# Altium PCB 1166V30.PcbDoc (part 3 of 6)
Units mil, origin at the board's own origin, x right, y up, seen from the top; angles counter-clockwise.
Board outline 6140.98 x 3937.01 mil, 8 copper layers (Top Layer, Layer 1, Layer 2, Layer 3, Layer 4, Layer 5, Layer 6, Bottom Layer), stack 63.002 mil thick; 581 components, 327 nets, 2120 pads, 1524 vias.
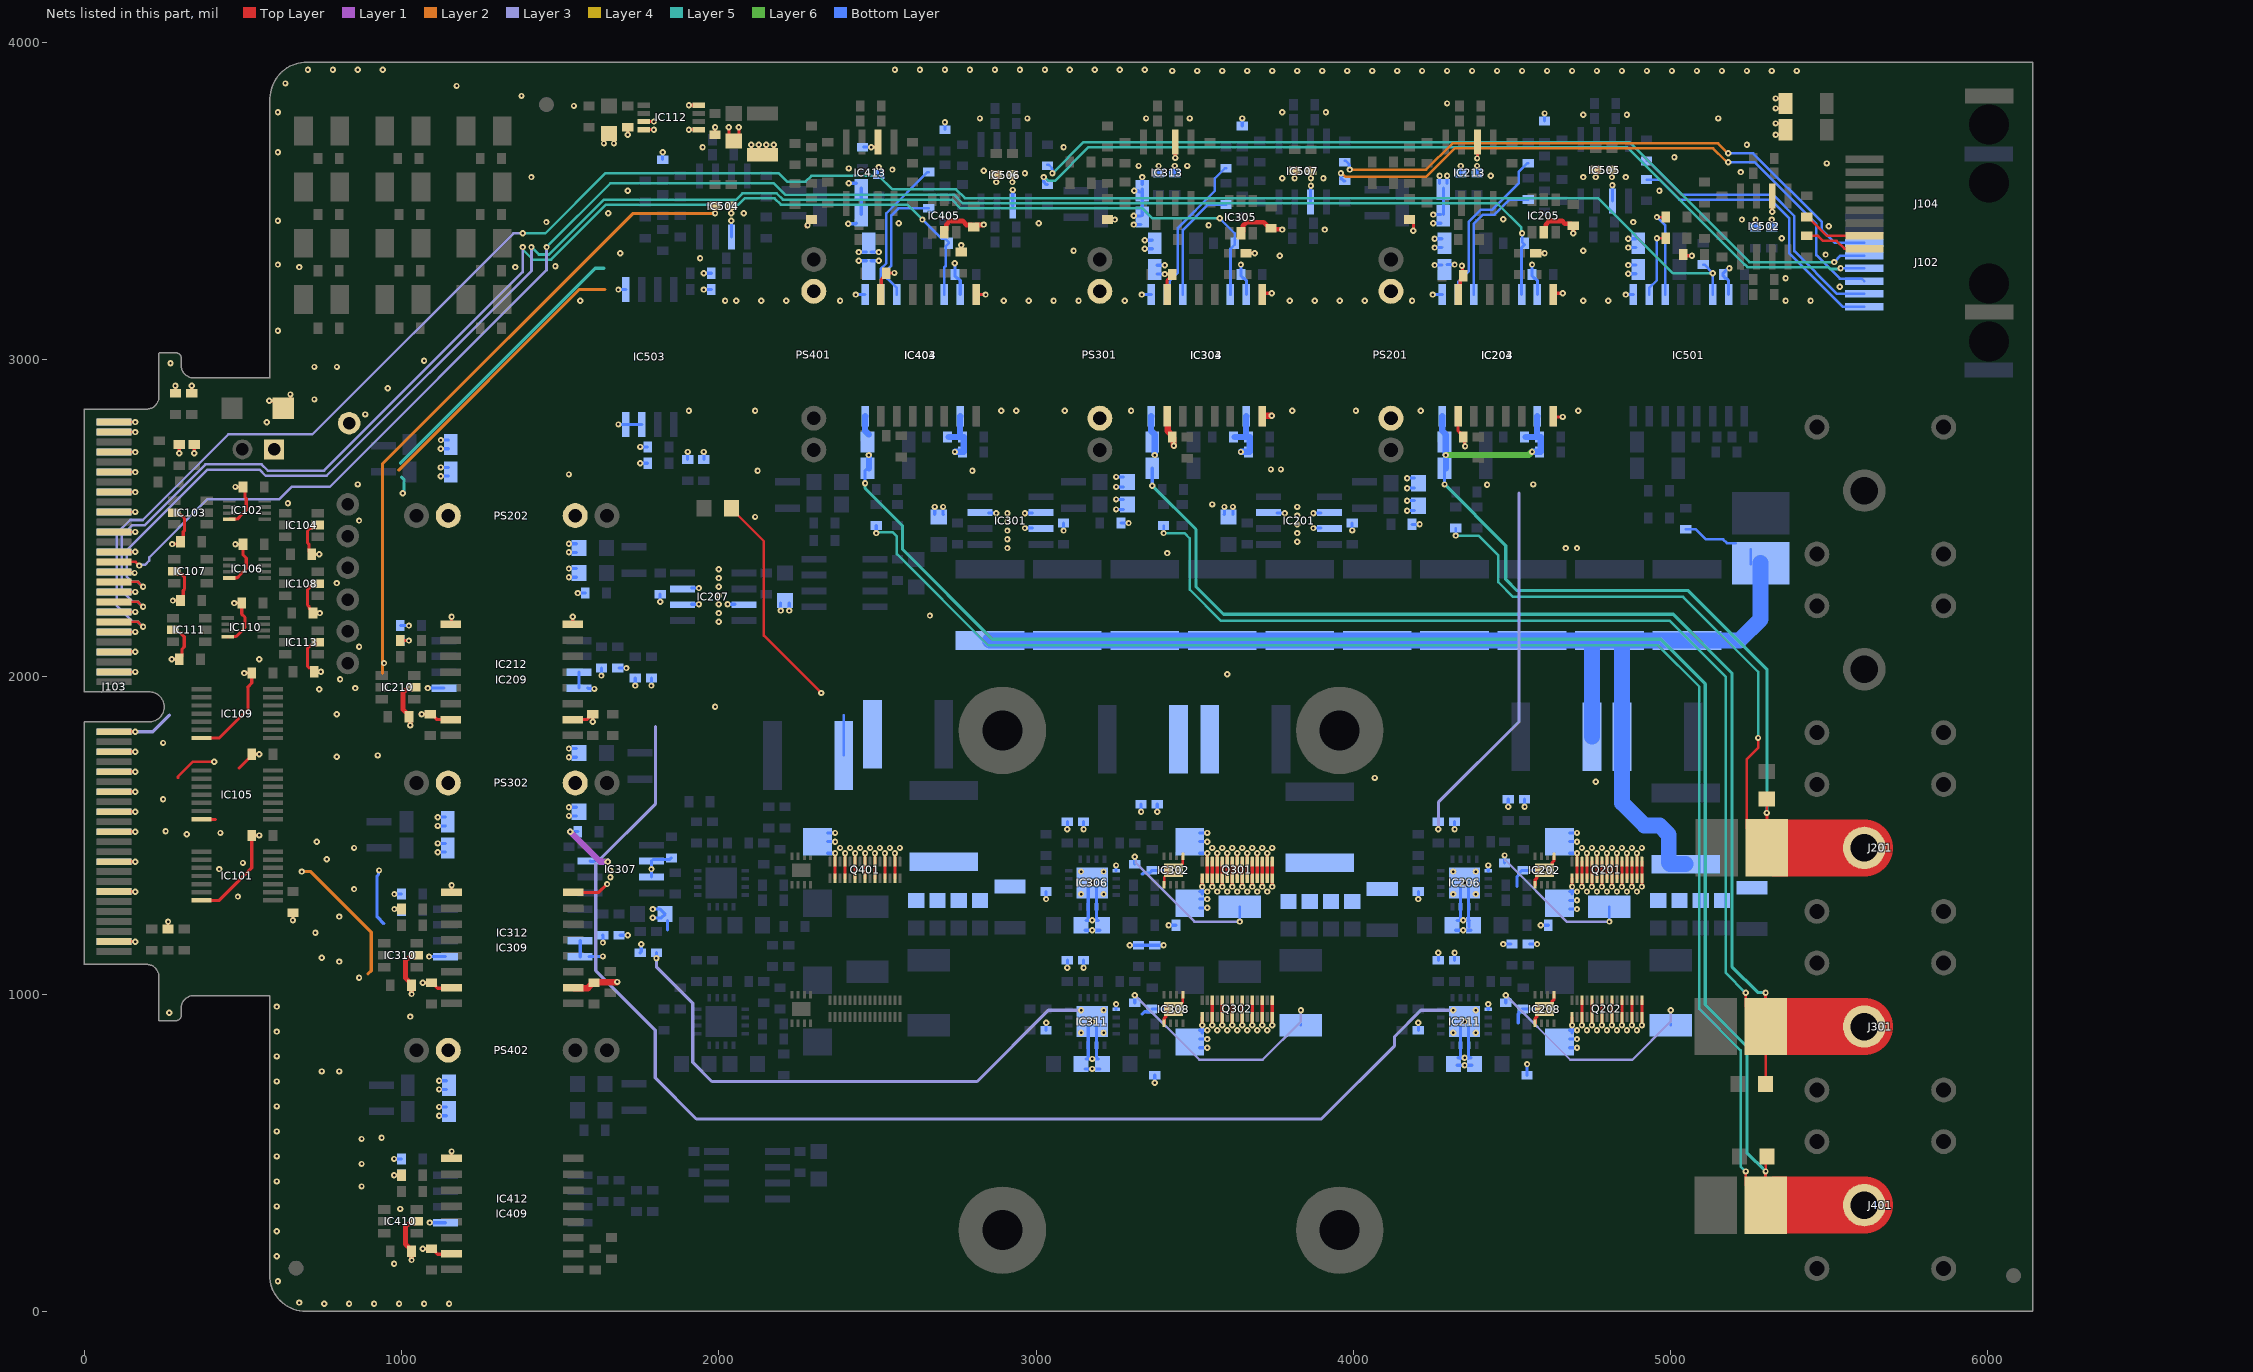
[diagram p9: the nets of this part, all layers, seen from the top]

## Via types
v1: diameter 19.68, hole 7.87, Top Layer to Bottom Layer, 1524 vias

## Nets (pads, with @x,y where several pads share a name; then routed paths per layer and width w, separated by ;. In a path a pad name is that pad's centre, name@x,y a point inside that pad or via, vN(x,y) a via of type N, cw(c..) or ccw(c..) an arc to the next point about the centre after c; other vN are vias at no path point) (continued)
GND: C101.1 C102.1 C103.1 C104.1 C105.1 C106.1 C107.1 C108.1 C109.1 C206.1 C207.1 C212.1 C213.2 C214.2 C218.1 C226.1 C227.1 C235.1 C241.1 C306.1 C307.1 C312.1 C313.2 C314.2 C318.1 C326.1 C327.1 C335.1 C341.1 C406.1 C407.1 C412.1 C413.2 C414.2 C418.1 C426.1 C427.1 C435.1 C441.1 C502.1 C505.2 C506.2 C507.1 C519.1 C532.1 C536.1 C541.1 CF101.1 CF102.1 CF103.1 CF104.2 CF105.2 CF106.2 CF107.2 CF108.2 CF109.2 CF110.2 CF111.2 CF112.2 CF204.2 CF206.2 CF210.2 CF212.2 CF213.2 CF214.2 CF215.2 CF216.2 CF304.2 CF306.2 CF310.2 CF312.2 CF313.2 CF314.2 CF315.2 CF316.2 CF404.2 CF406.2 CF410.2 CF412.2 CF413.2 CF414.2 CF415.2 CF416.2 CF501.2 CF502.2 CF503.2 CF504.2 CF507.2 CF508.2 CF509.2 CF510.2 CF511.2 CF512.2 CF513.2 CF514.2 CX101.2 D101.1 IC101.7 IC102.4 IC103.2 IC104.2 IC105.7 IC106.4 IC107.2 IC108.2 IC109.7 IC110.4 IC111.2 IC112.3 IC112.4 IC112.5 IC112.8 IC113.2 IC203.9 IC203.15 IC204.9 IC204.15 IC205.2 IC209.9 IC209.15 IC210.2 IC212.5 IC213.6 IC303.9 IC303.15 IC304.9 IC304.15 IC305.2 IC309.9 IC309.15 IC310.2 IC312.5 IC313.6 IC403.9 IC403.15 IC404.9 IC404.15 IC405.2 IC409.9 IC409.15 IC410.2 IC412.5 IC413.6 IC501.9 IC501.15 IC502.6 IC503.5 IC504.6 IC505.6 IC506.6 IC507.6 J101.1 J103.1 J103.2 J103.3 J103.4 J103.7 J103.8 J103.11 J103.12 J103.15 J103.16 J103.19 J103.20 J103.23 J103.24 J103.27 J103.28 J103.31 J103.32 J103.35 J103.36 J103.39 J103.40 J103.43 J103.44 J103.47 J103.48 J103.51 J103.52 J103.55 J103.56 J103.59 J103.60 J103.63 J103.64 J103.67 J103.68 J103.71 J103.72 J103.75 J103.76 J103.81 J103.82 J103.87 J103.88 J103.97 J103.98 PS201.2 PS202.2 PS301.2 PS302.2 PS401.2 PS402.2 R101.2 R102.1 RX101.2 TP107.1 | length 15419.6
  Top Layer w8: 295.28,1681.1 295.28,1685.28 342.28,1732.28 v1(409.45,1732.28)
  Top Layer w10: J103.97@93.96,1165.18 94.04,1165.09 160.27,1165.09 v1(160.35,1165) ; J103.87@93.96,1322.66 94.04,1322.57 160.27,1322.57 v1(160.35,1322.48) ; J103.81@93.96,1417.15 94.04,1417.06 160.27,1417.06 v1(160.35,1416.97) ; J103.75@93.96,1511.63 94.04,1511.55 160.27,1511.55 v1(160.35,1511.46) ; J103.71@93.96,1574.63 94.04,1574.54 160.27,1574.54 v1(160.35,1574.45) ; J103.67@93.96,1637.62 94.04,1637.53 160.27,1637.53 v1(160.35,1637.44) ; J103.63@93.96,1700.61 94.04,1700.52 160.27,1700.52 v1(160.35,1700.43) ; J103.59@93.96,1763.6 94.04,1763.52 160.27,1763.52 v1(160.35,1763.43) ; J103.55@93.96,1826.6 94.04,1826.51 160.27,1826.51 v1(160.35,1826.42) ; J103.47@93.96,2078.56 160.18,2078.56 v1(160.27,2078.48) ; J103.43@93.96,2141.56 160.18,2141.56 v1(160.27,2141.47) ; J103.35@93.96,2267.54 160.18,2267.54 v1(160.27,2267.45) ; J103.27@93.96,2393.52 94.05,2393.62 160.12,2393.62 v1(160.21,2393.72) ; J103.7@93.96,2708.48 160.18,2708.48 v1(160.27,2708.4) ; J103.1@93.96,2802.97 94.04,2802.89 160.27,2802.89 v1(160.35,2802.8) ; J103.51@94.04,2015.48 160.27,2015.48 v1(160.35,2015.4) ; J103.39@94.04,2204.46 160.27,2204.46 v1(160.35,2204.37) ; J103.31@94.04,2330.44 95.67,2328.82 156.55,2328.82 v1(158.26,2327.1) ; J103.19@94.04,2519.42 160.27,2519.42 v1(160.35,2519.33) ; J103.15@94.04,2582.41 160.27,2582.41 v1(160.35,2582.32) ; J103.11@94.04,2645.4 160.27,2645.4 v1(160.35,2645.32) ; J103.3@94.04,2771.39 160.27,2771.39 v1(160.35,2771.3) ; J103.23@94.07,2456.4 160.29,2456.4 v1(160.41,2456.29) ; R102.1@263.78,1204.72 v1(263.78,1228.35) ; v1(275.59,2055.12) CF110.2@299.21,2055.12 307.99,2063.9 307.99,2087.12 314.96,2094.09 314.96,2125.99 301.91,2139.04 288.03,2139.04 IC111.2@279.53,2147.54 ; v1(277.27,2418.1) CF112.2@298.56,2418.1 ; v1(279.53,2240.16) CF111.2@303.15,2240.16 311.93,2248.94 311.93,2272.16 315.96,2276.19 315.96,2313.96 305.85,2324.08 291.96,2324.08 IC107.2@283.46,2332.58 ; IC103.2@283.46,2517.62 291.96,2509.12 305.85,2509.12 315.96,2499 315.96,2461.23 311.93,2457.2 311.93,2433.98 CF112.2@303.15,2425.2 ; C106.1@287.4,2893.7 v1(287.4,2917.32) ; v1(299.21,2704.72) C109.1@299.21,2728.35 ; CF112.2@302.43,2421.98 CF112.2@303.15,2421.26 ; C107.1@338.58,2893.7 v1(338.58,2917.32) ; v1(346.46,2704.72) C108.1@346.46,2728.35 ; IC101.7@370.08,1295.27 425.2,1295.27 527.56,1397.64 CF103.1@527.56,1500 v1(551.18,1500) ; IC105.7@370.08,1550.24 413.38,1550.24 ; IC109.7@370.08,1807.09 425.2,1807.09 515.75,1897.64 515.75,1966.54 514.76,1967.52 527.56,1980.31 CF101.1@527.56,2011.81 v1(503.94,2011.81) ; IC110.4@452.76,2125.98 453.66,2126.89 478.39,2126.89 506.42,2154.91 506.42,2187.28 496.06,2197.64 CF107.2@496.06,2232.28 v1(472.44,2232.28) ; IC106.4@456.69,2311.02 457.6,2311.93 481.71,2311.93 492.13,2322.34 492.13,2322.83 500,2330.71 500.13,2330.71 510.36,2340.93 510.36,2374.25 500,2384.61 CF108.2@500,2417.32 v1(476.38,2417.32) ; IC102.4@456.69,2496.06 457.6,2496.97 481.71,2496.97 500,2515.26 500,2515.62 510.36,2525.97 510.36,2561.75 506.4,2565.71 506.4,2592.03 CF109.2@500,2598.43 v1(476.38,2598.43) ; 488.19,1712.6 527.56,1751.97 CF102.1@527.56,1755.91 v1(551.18,1755.91) ; v1(582.68,2869.72) 619.54,2869.72 D101.1@623.11,2866.14 ; D101.1@649.61,2849.33 v1(649.61,2889.76) ; v1(657.48,1232.28) R101.2@657.48,1255.91 ; 708.66,2027.56 703.36,2032.86 703.36,2089.55 713.47,2099.67 727.36,2099.67 IC113.2@735.86,2108.17 ; IC108.2@735.86,2293.21 727.36,2284.71 713.47,2284.71 703.36,2274.59 703.36,2225.78 708.66,2220.47 708.66,2216.54 720.47,2204.72 CF105.2@720.47,2200.79 v1(741.94,2200.79) ; IC104.2@735.86,2478.25 727.36,2469.75 713.47,2469.75 703.36,2459.63 703.36,2421.86 707.76,2417.47 707.76,2394.61 CF104.2@716.54,2385.83 v1(740.16,2385.83) ; v1(976.38,429.13) C435.1@1000,429.13 ; v1(977.61,1267.72) C335.1@1000,1267.72 ; C235.1@996.06,2114.17 v1(1022.99,2114.17) ; v1@1059.06,1881.89 v1(1062.99,1881.89) CF210.2@1090.55,1881.89 1094.49,1881.89 1110.24,1866.14 1111.42,1864.96 IC209.15@1155.51,1864.96 ; v1(1066.93,196.85) CF410.2@1094.49,196.85 1098.43,196.85 1107.2,188.07 1107.2,185.78 1113.06,179.92 IC409.15@1159.45,179.92 ; v1(1066.93,1035.43) CF310.2@1094.49,1035.43 1098.43,1035.43 1107.2,1026.65 1107.2,1024.36 1113.06,1018.5 IC309.15@1159.45,1018.5 ; IC209.9@1155.51,2164.96 1157.48,2166.93 v1(1157.48,2188.98) ; v1(1157.48,503.94) IC409.9@1157.48,481.89 IC409.9@1159.45,479.92 ; v1(1157.48,1342.52) IC309.9@1157.48,1320.47 IC309.9@1159.45,1318.5 ; v1(1637.8,3681.1) C101.1@1637.8,3704.72 ; v1(1669.29,3681.1) C101.1@1669.29,3704.72 ; v1(1712.6,3708.66) C102.1@1712.6,3732.28 ; IC112.4@1771.65,3724.41 v1(1795.28,3724.41) ; IC112.3@1771.65,3750 v1(1795.28,3750) ; v1(1905.51,3724.41) IC112.5@1929.13,3724.41 ; v1(1905.51,3800.99) 1905.61,3801.09 1929.04,3801.09 IC112.8@1929.13,3801.18 ; v1(1988.19,3460.63) CF507.2@1988.19,3484.25 ; C104.1@1988.19,3708.66 v1(1988.19,3732.28) ; C103.1@2031.5,3708.66 v1(2031.5,3732.28) ; v1(2039.37,3460.63) CF508.2@2039.37,3484.25 ; C103.1@2062.99,3708.66 v1(2062.99,3732.28) ; C105.1@2102.36,3653.54 v1(2102.36,3677.17) ; C105.1@2125.98,3653.54 v1(2125.98,3677.17) ; C105.1@2149.61,3653.54 v1(2149.61,3677.17) ; C105.1@2173.23,3653.54 v1(2173.23,3677.17) ; v1@2275.47,3419.17 2275.47,3421.79 2279.02,3425.34 2279.02,3432.17 2287.8,3440.94 C441.1@2291.73,3440.94 ; v1(2480.32,3669.29) 2495.75,3669.29 2501.57,3675.12 IC413.6@2501.57,3685.04 ; IC404.15@2511.02,3204.72 2511.81,3205.51 2511.81,3252.2 2518.54,3258.94 2518.78,3258.94 2527.56,3267.72 CF404.2@2527.56,3271.65 2528.64,3272.73 v1(2553.34,3272.73) ; v1@2743.54,3299.77 v1(2743.54,3303.1) ; C418.1@2763.78,3338.58 v1(2763.78,3360.49) ; IC404.9@2811.02,3204.72 v1(2840.68,3204.72) ; v1(2874.02,3559.06) CF511.2@2874.02,3582.68 ; v1(2925.2,3559.06) CF512.2@2925.2,3582.68 ; C341.1@3224.8,3440.94 v1(3248.43,3440.94) ; v1(3405.51,3269.29) 3427.56,3269.29 CF304.2@3429.13,3267.72 3429.13,3263.78 3420.35,3255 3418.46,3255 3412.6,3249.14 IC304.15@3412.6,3204.72 ; v1(3438.58,3635.43) IC313.6@3438.58,3685.04 ; C318.1@3661.42,3334.65 v1(3688.98,3334.65) ; IC304.9@3712.6,3204.72 3716.54,3208.66 v1(3742.25,3208.66) ; v1(3814.56,3571.27) 3814.56,3594.08 CF513.2@3814.96,3594.49 ; v1(3866.14,3570.87) CF514.2@3866.14,3594.49 ; v1(4188.98,3405.51) C241.1@4188.98,3429.13 ; IC204.15@4329.92,3204.72 4336.73,3211.54 4336.73,3250.12 4343.93,3257.32 4343.93,3293.42 v1(4342.08,3295.28) ; v1(4389.76,3633.86) 4390.94,3635.04 IC213.6@4390.94,3685.04 ; C218.1@4574.8,3334.65 v1(4602.36,3334.65) ; IC204.9@4629.92,3204.72 4633.86,3208.66 v1(4659.57,3208.66) ; v1(4763.78,3574.8) CF509.2@4763.78,3598.43 ; v1(4814.96,3574.8) CF510.2@4814.96,3598.43 ; C507.1@5043.31,3326.77 v1(5066.93,3326.77) ; v1(5320.08,3465.75) IC502.6@5320.08,3515.75 ; v1(5330.71,3708.66) CX101.2@5354.33,3708.66 ; v1(5330.71,3744.09) CX101.2@5354.33,3744.09 ; v1(5330.71,3791.34) RX101.2@5354.33,3791.34 ; v1(5330.71,3822.83) RX101.2@5354.33,3822.83
  Top Layer w15: CF214.2@1023.62,1874.02 1023.62,1877.95 1004.37,1897.2 1004.37,1948.86 1015.95,1960.44 1033.37,1960.44 IC210.2@1039.37,1966.44 ; CF414.2@1027.56,188.98 CF414.2@1031.5,188.98 v1(1031.5,161.42) ; v1(1027.56,1846.46) CF214.2@1027.56,1874.02 ; CF414.2@1031.5,192.91 1012.24,212.17 1012.24,265.88 1023.82,277.46 1041.24,277.46 IC410.2@1047.24,283.46 ; v1(1031.5,1000) CF314.2@1031.5,1027.56 1031.5,1031.5 1012.24,1050.75 1012.24,1104.47 1023.82,1116.05 1041.24,1116.05 IC310.2@1047.24,1122.05 ; IC405.2@2710.53,3401.57 2716.53,3407.57 2716.53,3425 2728.11,3436.57 2767.95,3436.57 2780.92,3423.6 2796.87,3423.6 CF406.2@2803.15,3417.32 2809.43,3423.6 2831.78,3423.6 2833.38,3425.2 v1(2834.65,3425.2) ; IC305.2@3645.67,3397.64 3651.67,3403.64 3651.67,3421.06 3663.25,3432.64 3716.97,3432.64 3736.22,3413.39 CF306.2@3740.16,3413.39 3742.99,3410.55 3774.66,3410.55 v1(3775.55,3409.66) ; IC205.2@4600.3,3401.57 4606.3,3407.57 4606.3,3425 4617.88,3436.57 4657.72,3436.57 4666.75,3427.54 4686.63,3427.54 CF206.2@4692.91,3421.26 v1(4692.91,3397.64)
  Layer 2 w10: v1(685.04,1385.83) 713.53,1385.83 904.26,1195.1 904.26,1073.55 893.7,1062.99 ; 939.45,2010.47 939.45,2670.51 1729.56,3460.63 v1(1988.19,3460.63) ; 990.94,2651.3 1560.12,3220.47 1640.16,3220.47 ; v1@2275.47,3419.17 v1@2277.31,3417.32
  Layer 3 w10: v1(160.35,1826.42) 215.78,1826.42 268.12,1878.75
  Layer 5 w10: 996.06,2672.81 1610.66,3287.4 1637.8,3287.4 ; 1000.2,2628.86 1007.87,2621.18 v1@1007.87,2578.74
  Bottom Layer w10: J103.98@93.96,1165.18 94.04,1165.09 160.27,1165.09 v1(160.35,1165) ; J103.88@93.96,1322.66 94.04,1322.57 160.27,1322.57 v1(160.35,1322.48) ; J103.82@93.96,1417.15 94.04,1417.06 160.27,1417.06 v1(160.35,1416.97) ; J103.76@93.96,1511.63 94.04,1511.55 160.27,1511.55 v1(160.35,1511.46) ; J103.72@93.96,1574.63 94.04,1574.54 160.27,1574.54 v1(160.35,1574.45) ; J103.68@93.96,1637.62 94.04,1637.53 160.27,1637.53 v1(160.35,1637.44) ; J103.64@93.96,1700.61 94.04,1700.52 160.27,1700.52 v1(160.35,1700.43) ; J103.60@93.96,1763.6 94.04,1763.52 160.27,1763.52 v1(160.35,1763.43) ; J103.56@93.96,1826.6 94.04,1826.51 160.27,1826.51 v1(160.35,1826.42) ; J103.48@93.96,2078.56 160.18,2078.56 v1(160.27,2078.48) ; J103.44@93.96,2141.56 160.18,2141.56 v1(160.27,2141.47) ; J103.36@93.96,2267.54 160.18,2267.54 v1(160.27,2267.45) ; J103.28@93.96,2393.52 94.05,2393.62 160.12,2393.62 v1(160.21,2393.72) ; J103.8@93.96,2708.48 160.18,2708.48 v1(160.27,2708.4) ; J103.2@93.96,2802.97 94.04,2802.89 160.27,2802.89 v1(160.35,2802.8) ; J103.52@94.04,2015.48 160.27,2015.48 v1(160.35,2015.4) ; J103.40@94.04,2204.46 160.27,2204.46 v1(160.35,2204.37) ; J103.32@94.04,2330.44 95.67,2328.82 156.55,2328.82 v1(158.26,2327.1) ; J103.20@94.04,2519.42 160.27,2519.42 v1(160.35,2519.33) ; J103.16@94.04,2582.41 160.27,2582.41 v1(160.35,2582.32) ; J103.12@94.04,2645.4 160.27,2645.4 v1(160.35,2645.32) ; J103.4@94.04,2771.39 160.27,2771.39 v1(160.35,2771.3) ; J103.24@94.07,2456.4 160.29,2456.4 v1(160.41,2456.29) ; v1(929.13,1389.76) 927.28,1387.91 927.28,1376.52 922.76,1372 922.76,1243.62 944.26,1222.13 ; v1(976.38,429.13) CF216.2@1000,429.13 ; v1(976.38,480.31) CF215.2@1000,480.31 ; v1(977.61,1267.72) 996.06,1267.72 CF316.2@1000,1263.78 ; v1(977.61,1314.96) CF315.2@1000,1314.96 ; CF416.2@996.06,2114.17 v1(1022.99,2114.17) ; CF415.2@996.06,2161.42 v1(1022.99,2161.42) ; v1(1082.68,1964.57) 1082.87,1964.37 IC212.5@1133.66,1964.37 ; v1@1084.46,279.53 1084.65,279.33 IC412.5@1137.6,279.33 ; v1(1086.61,1118.11) 1086.81,1117.91 IC312.5@1137.6,1117.91 ; v1(1114.17,1447.25) C326.1@1137.79,1447.25 ; v1(1114.17,1474.8) C326.1@1137.79,1474.8 ; v1(1114.17,1529.92) C327.1@1137.79,1529.92 ; v1(1114.17,1557.48) C327.1@1137.79,1557.48 ; v1(1118.11,616.54) C426.1@1141.73,616.54 ; v1(1118.11,644.09) C426.1@1141.73,644.09 ; v1(1118.11,699.21) C427.1@1141.73,699.21 ; v1(1118.11,726.77) C427.1@1141.73,726.77 ; v1(1123.62,2632.29) C227.1@1147.24,2632.29 ; v1(1123.62,2659.84) C227.1@1147.24,2659.84 ; v1(1123.62,2718.9) C226.1@1147.24,2718.9 ; v1(1124.13,2745.95) 1146.73,2745.95 C226.1@1147.15,2746.37 ; v1(1683.46,3220.47) IC503.5@1707.09,3220.47 ; C519.1@1822.83,3629.92 v1(1822.83,3653.54) ; v1(1952.76,3220.47) CF504.2@1976.38,3220.47 ; v1(1952.76,3271.65) CF503.2@1976.38,3271.65 ; IC504.6@2039.37,3385.83 v1(2039.37,3437.01) ; v1(2407.98,3427.67) 2431.6,3427.67 C407.1@2433.07,3429.13 ; v1(2409.45,3555.4) 2432.79,3555.4 C406.1@2433.07,3555.12 ; v1(2431.37,3204.72) IC403.9@2461.02,3204.72 ; v1(2440.94,3311.02) C414.2@2464.57,3311.02 ; v1(2440.94,3338.58) C413.2@2464.57,3338.58 ; C407.1@2448.82,3457.76 C406.1@2448.82,3540.43 ; CF412.2@2456.69,3669.29 v1(2480.32,3669.29) ; C414.2@2480.32,3311.02 v1(2503.94,3311.02) ; C413.2@2480.32,3338.58 v1(2503.94,3338.58) ; CF413.2@2503.94,3582.68 v1(2503.94,3606.3) ; C536.1@2712.6,3724.41 v1(2712.6,3748.03) ; v1(2743.54,3303.1) 2743.82,3302.82 2743.82,3267.99 C412.1@2744.09,3267.72 2744.09,3263.78 2752.87,3255 2755.17,3255 2761.02,3249.14 IC403.15@2761.02,3204.72 ; IC506.6@2926.38,3484.25 v1(2926.38,3534.25) ; v1(3307.37,3425.2) C307.1@3330.71,3425.2 ; v1(3307.37,3452.76) C307.1@3330.71,3452.76 ; v1(3309.31,3531.78) 3322.55,3531.78 C306.1@3326.77,3527.56 ; v1(3332.94,3204.72) IC303.9@3362.6,3204.72 ; C307.1@3334.64,3453.82 C306.1@3334.64,3536.5 ; C306.1@3334.65,3551.18 v1(3334.65,3574.81) ; v1(3342.52,3348.82) C313.2@3366.14,3348.82 ; v1(3342.52,3375.8) 3365.56,3375.8 C313.2@3366.14,3376.38 ; C314.2@3381.89,3269.29 v1(3405.51,3269.29) ; C314.2@3381.89,3296.85 v1(3405.51,3296.85) ; CF312.2@3385.83,3586.61 v1(3385.83,3610.24) ; CF313.2@3437.01,3586.61 v1(3437.01,3610.24) ; v1(3645.67,3299.34) C312.1@3645.67,3267.72 3645.67,3263.78 3654.45,3255 3656.74,3255 3662.6,3249.14 IC303.15@3662.6,3204.72 ; C541.1@3649.61,3736.22 v1(3649.61,3759.84) ; IC507.6@3864.96,3496.06 3864.96,3546.06 v1(3866.14,3547.24) ; v1(4250.27,3204.72) IC203.9@4279.92,3204.72 ; v1(4251.97,3429.14) C207.1@4275.59,3429.14 ; v1(4251.97,3456.7) C207.1@4275.59,3456.7 ; v1(4255.91,3297.64) C214.2@4279.53,3297.64 ; v1(4255.9,3352.76) C213.2@4279.53,3352.76 ; v1(4255.91,3380.31) C213.2@4279.53,3380.31 ; C206.1@4271.66,3555.12 v1(4271.66,3578.74) ; C207.1@4283.46,3457.76 C206.1@4283.46,3540.43 ; C214.2@4295.28,3299.21 v1(4318.9,3299.21) ; C206.1@4295.28,3555.12 v1(4295.28,3578.74) ; CF212.2@4338.58,3586.61 v1(4338.58,3610.24) ; CF213.2@4389.76,3586.61 v1(4389.76,3610.24) ; v1(4562.99,3299.34) C212.1@4562.99,3267.72 4562.99,3263.78 4571.77,3255 4574.06,3255 4579.92,3249.14 IC203.15@4579.92,3204.72 ; C532.1@4602.36,3751.97 v1(4602.36,3775.59) ; IC505.6@4816.54,3500 v1(4816.54,3548.82) ; v1(4858.27,3204.72) IC501.9@4882.28,3204.72 ; v1(4866.14,3270.08) C506.2@4889.76,3270.08 ; v1(4866.14,3297.64) C506.2@4889.76,3297.64 ; v1(4866.14,3352.76) C505.2@4889.76,3352.76 ; v1(4866.14,3380.31) C505.2@4889.76,3380.31 ; IC501.15@5182.28,3204.72 5182.28,3249.14 5176.43,3255 5174.13,3255 5165.35,3263.78 C502.1@5165.35,3267.72 5165.35,3271.65 5179.25,3285.55 5183.19,3285.55 v1(5185.04,3287.4) ; CF501.2@5267.72,3417.32 v1(5267.72,3440.94) ; CF502.2@5318.9,3417.32 v1(5318.9,3440.94)
  other v1: 755.91,23.62 834.65,23.62 913.39,23.62 992.13,23.62 1070.87,23.62 1149.61,23.62 677.17,27.56 610.24,94.49 976.38,149.61 606.3,173.23 606.3,251.97 1088.39,279.53 996.06,322.83 606.3,330.71 874.02,393.7 606.3,409.45 874.02,464.57 606.3,488.19 874.02,543.31 937.01,547.24 606.3,566.93 606.3,645.67 606.3,724.41 748.03,755.91 803.15,755.91 606.3,803.15 606.3,881.89 1027.56,929.13 267.72,940.94 606.3,960.63 866.14,1051.18 803.15,1102.36 748.03,1114.17 728.35,1192.91 803.15,1244.09 484.25,1307.09 850.39,1330.71 425.2,1393.7 500,1413.39 763.78,1425.2 850.39,1460.63 732.28,1480.31 322.83,1503.94 429.13,1507.87 255.91,1513.34 248.03,1614.17 795.28,1748.03 925.2,1751.97 248.03,1791.34 795.28,1881.89 740.16,1960.63 854.33,1964.57 806.09,1992.13 745.87,2015.75 944.88,2043.31 551.18,2055.12 866.14,2094.49 795.28,2295.28 866.14,2492.13 641.73,2547.24 1003.94,2578.74 862.2,2606.3 574.8,2802.15 885.83,2826.77 725.41,2874.02 956.69,2909.45 725.41,2976.38 796.28,2976.38 271.65,2988.19 1070.87,2996.06 610.24,3090.55 1563.11,3184.92 2019.69,3185.04 2055.12,3185.04 2133.86,3185.04 2212.6,3185.04 2381.89,3185.04 2897.64,3185.04 2976.38,3185.04 3055.12,3185.04 3133.86,3185.04 3279.53,3185.04 3799.21,3185.04 3877.95,3185.04 3956.69,3185.04 4035.43,3185.04 4185.04,3185.04 4724.41,3185.04 4803.15,3185.04 5362.2,3185.04 5440.94,3185.04 5532.66,3229.51 5362.2,3255.91 677.17,3291.34 1358.27,3291.34 1484.74,3294 610.24,3299.21 1940.94,3318.9 3767.72,3326.77 5488.19,3330.71 1688.98,3334.65 3118.11,3342.52 4724.41,3342.52 5350.39,3381.89 3909.45,3409.45 5498.47,3419.99 2279.4,3423.1 3543.31,3423.04 2566.93,3429.13 3007.87,3429.13 1456.69,3433.07 4881.89,3433.07 610.24,3437.01 5224.41,3440.94 4472.25,3441.75 1651.54,3460.63 2078.74,3460.63 1712.6,3531.5 4964.57,3531.5 3775.59,3570.87 3905.51,3570.87 1409.45,3574.8 4724.41,3574.8 4858.27,3574.8 4433.07,3578.74 2964.57,3586.61 5220.47,3590.55 2834.65,3594.49 2547.24,3598.43 2409.45,3602.36 3322.83,3610.24 3476.38,3610.24 5492.13,3618.11 5011.81,3637.8 610.24,3653.54 1948.82,3669.29 3086.61,3669.29 5240.16,3677.17 2822.83,3759.84 2972.44,3759.84 3346.46,3759.84 3484.25,3759.84 5149.61,3759.84 4724.41,3771.65 4862.2,3771.65 610.24,3779.53 3775.59,3779.53 3913.39,3779.53 1543.31,3799.21 4295.28,3807.09 1377.95,3830.71 1173.23,3862.2 633.86,3870.08 3429.13,3909.45 3507.87,3909.45 3586.61,3909.45 3665.35,3909.45 3744.09,3909.45 3822.83,3909.45 3901.57,3909.45 3980.31,3909.45 4059.05,3909.45 4137.79,3909.45 4216.53,3909.45 4295.27,3909.45 4374.01,3909.45 4452.76,3909.45 4531.5,3909.45 4610.24,3909.45 4688.98,3909.45 4767.72,3909.45 4846.46,3909.45 4925.2,3909.45 5003.94,3909.45 5082.68,3909.45 5161.42,3909.45 5240.16,3909.45 5318.9,3909.45 5397.64,3909.45 704.72,3913.39 783.46,3913.39 862.2,3913.39 940.94,3913.39 2555.12,3913.39 2633.86,3913.39 2712.6,3913.39 2791.34,3913.39 2870.08,3913.39 2948.82,3913.39 3027.56,3913.39 3106.3,3913.39 3185.04,3913.39 3263.78,3913.39 3342.52,3913.39
HV: C201.1 C202.1 C203.1 C204.1 C205.1 C301.1 C302.1 C303.1 C304.1 C305.1 C401.1 C402.1 C403.1 C404.1 C405.1 C521.1 C522.1 C523.1 C524.1 C525.1 C526.1 C527.1 C543.1 C544.1 C545.1 C546.1 C547.1 C548.1 C549.1 C550.1 C551.1 C552.1 C553.1 C554.1 D202.2 D302.2 D402.2 Q201.3 Q201.4 Q201.7 Q201.8 Q201.11 Q201.12 Q201.15 Q201.16 Q201.19 Q201.20 Q201.23 Q201.24 Q201.27 Q201.28 Q301.3 Q301.4 Q301.7 Q301.8 Q301.11 Q301.12 Q301.15 Q301.16 Q301.19 Q301.20 Q301.23 Q301.24 Q301.27 Q301.28 Q401.3 Q401.4 Q401.7 Q401.8 Q401.11 Q401.12 Q401.15 Q401.16 Q401.19 Q401.20 Q401.23 Q401.24 Q401.27 Q401.28 R511.2 R515.1 R517.2 | length 6698.1
  Top Layer w8: R511.2@2039.37,2531.5 2039.37,2529.53 2141.73,2427.17 2141.73,2129.92 v1(2322.83,1948.82)
  Top Layer w10: Q401.4@2366.14,1364.96 Q401.3@2366.14,1417.32 v1(2366.14,1443.7) ; Q401.8@2397.64,1364.96 Q401.7@2397.64,1417.32 v1(2397.64,1443.7) ; Q401.12@2429.13,1364.96 Q401.11@2429.13,1417.32 v1(2429.13,1443.7) ; Q401.16@2460.63,1364.96 Q401.15@2460.63,1417.32 v1(2460.63,1443.7) ; Q401.20@2492.13,1364.96 Q401.19@2492.13,1417.32 v1(2492.13,1443.7) ; Q401.24@2523.62,1364.96 Q401.23@2523.62,1417.32 v1(2523.62,1443.7) ; Q401.28@2555.12,1364.96 Q401.27@2555.12,1417.32 v1(2555.12,1443.7) ; Q301.4@3539.37,1364.96 Q301.3@3539.37,1417.32 v1(3539.37,1443.7) ; Q301.8@3570.87,1364.96 Q301.7@3570.87,1417.32 v1(3570.87,1443.7) ; Q301.12@3602.36,1364.96 Q301.11@3602.36,1417.32 v1(3602.36,1443.7) ; Q301.16@3633.86,1364.96 Q301.15@3633.86,1417.32 v1(3633.86,1443.7) ; Q301.20@3665.35,1364.96 Q301.19@3665.35,1417.32 v1(3665.35,1443.7) ; Q301.24@3696.85,1364.96 Q301.23@3696.85,1417.32 v1(3696.85,1443.7) ; Q301.28@3728.35,1364.96 Q301.27@3728.35,1417.32 v1(3728.35,1443.7) ; Q201.4@4704.72,1364.96 Q201.3@4704.72,1417.32 v1(4704.72,1443.7) ; Q201.8@4736.22,1364.96 Q201.7@4736.22,1417.32 v1(4736.22,1443.7) ; Q201.12@4767.72,1364.96 Q201.11@4767.72,1417.32 v1(4767.72,1443.7) ; Q201.16@4799.21,1364.96 Q201.15@4799.21,1417.32 v1(4799.21,1443.7) ; Q201.20@4830.71,1364.96 Q201.19@4830.71,1417.32 v1(4830.71,1443.7) ; Q201.24@4862.2,1364.96 Q201.23@4862.2,1417.32 v1(4862.2,1443.7) ; Q201.28@4893.7,1364.96 Q201.27@4893.7,1417.32 v1(4893.7,1443.7)